# KiCad board FD.kicad_pcb (continued)
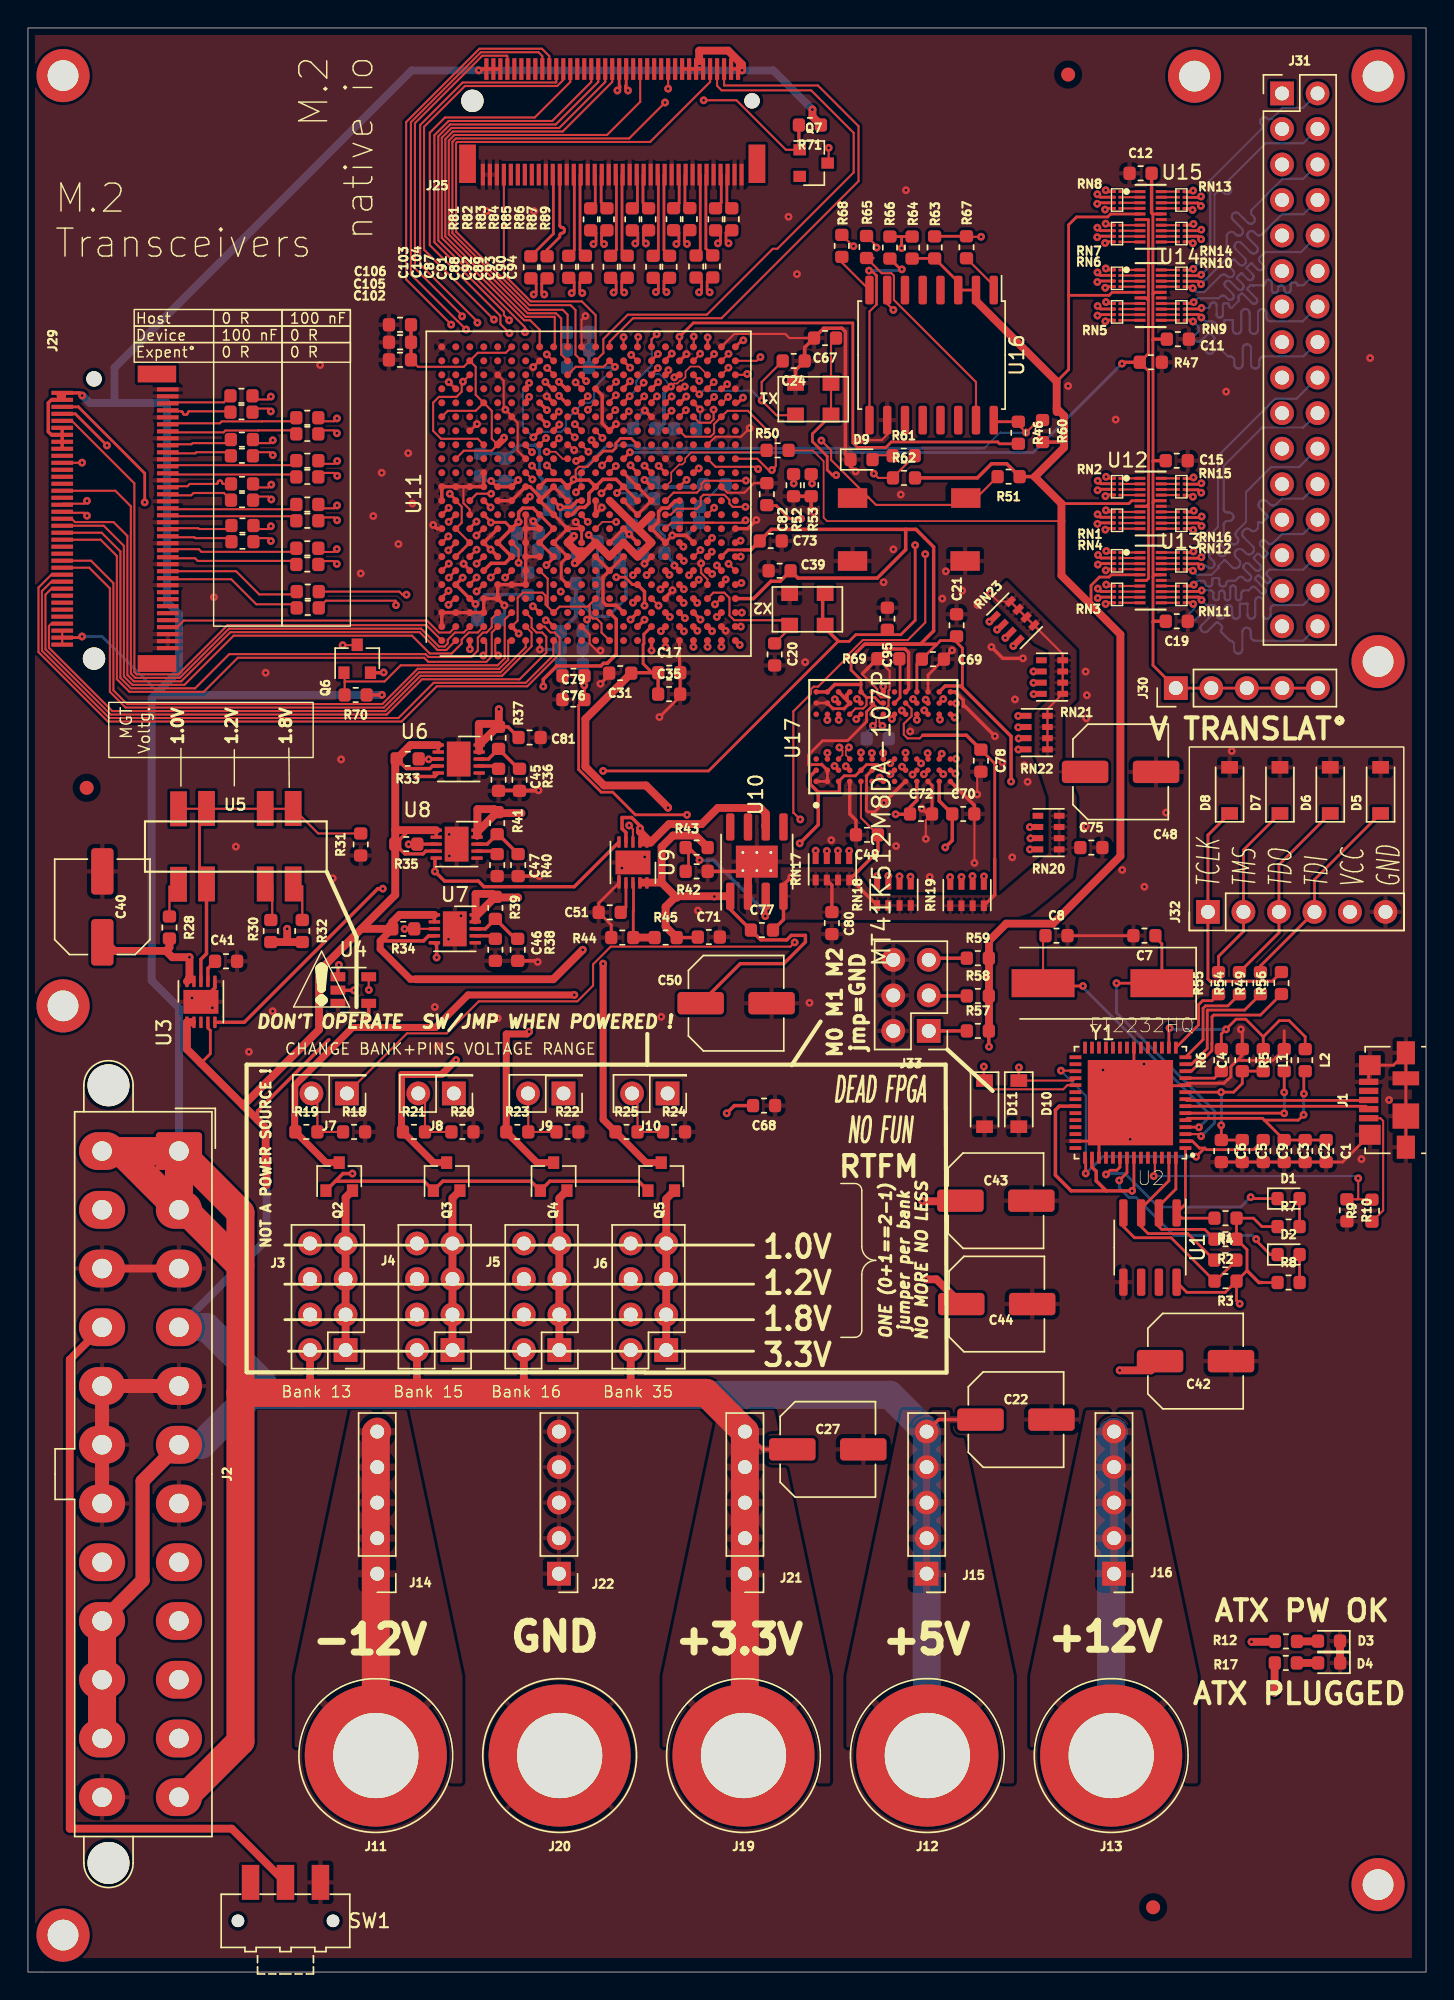
[diagram p0: board, top side]
## Routing (per net, layer and track width the routed paths; a pad name or vN(x,y) marks a point on that pad's centre or on a via; arc(x,y) is an arc through that point) (continued)
VTRANS_2_5: length 17.6
  Top w0.21: v1(83.38,119.4) 83.29,119.31 82.72,119.31
  B.Cu_GND_DDR w0.15: J31.10 91.05,122.97 88.47,122.97 88.13,122.63 88.09,122.58 88.07,122.53 88.06,122.48 88.06,122.42 88.07,122.37 88.09,122.32 88.13,122.27 88.3,122.1 88.33,122.06 88.36,122.01 88.37,121.95 88.37,121.9 88.36,121.84 88.33,121.79 88.3,121.75 88.26,121.71 88.21,121.69 88.15,121.68 88.1,121.68 88.04,121.69 87.99,121.71 87.95,121.75 87.55,122.15 87.54,122.16 87.52,122.17 87.51,122.17 87.49,122.17 87.47,122.17 87.46,122.16 87.45,122.15 87.19,121.9 87.18,121.88 87.18,121.87 87.17,121.85 87.17,121.84 87.18,121.82 87.18,121.81 87.19,121.8 87.59,121.4 87.63,121.35 87.65,121.3 87.66,121.25 87.66,121.19 87.65,121.14 87.63,121.09 87.59,121.04 87.55,121.01 87.5,120.98 87.44,120.97 87.39,120.97 87.33,120.98 87.28,121.01 87.24,121.04 86.84,121.44 86.83,121.45 86.81,121.46 86.8,121.46 86.78,121.46 86.77,121.46 86.75,121.45 86.74,121.44 86.49,121.19 86.48,121.18 86.47,121.16 86.47,121.15 86.47,121.13 86.47,121.11 86.48,121.1 86.49,121.09 86.89,120.69 86.92,120.65 86.95,120.59 86.96,120.54 86.96,120.48 86.95,120.43 86.92,120.38 86.89,120.34 86.84,120.3 86.79,120.28 86.74,120.26 86.68,120.26 86.63,120.28 86.58,120.3 86.53,120.34 86.01,120.86 85.97,120.89 85.92,120.92 85.86,120.93 85.81,120.93 85.75,120.92 85.7,120.89 85.66,120.86 85.66,120.85 85.62,120.81 85.6,120.76 85.59,120.71 85.59,120.65 85.6,120.6 85.62,120.55 85.66,120.5 86.18,119.98 86.21,119.94 86.24,119.89 86.25,119.83 86.25,119.78 86.24,119.72 86.21,119.67 86.18,119.63 86.14,119.59 86.08,119.57 86.03,119.56 85.97,119.56 85.92,119.57 85.87,119.59 85.83,119.63 85.65,119.8 85.61,119.83 85.56,119.86 85.5,119.87 85.45,119.87 85.39,119.86 85.34,119.83 85.3,119.8 85.18,119.68 83.66,119.68 v1(83.38,119.4)
VTRANS_2_6: length 17.6
  Top w0.21: 82.72,118.91 83.87,118.91 v1(83.94,118.98)
  B.Cu_GND_DDR w0.15: v1(83.94,118.98) 84.37,118.98 84.41,118.99 84.45,119 84.49,119.02 84.52,119.06 84.55,119.09 84.56,119.13 84.57,119.22 84.59,119.26 84.61,119.3 84.64,119.33 84.68,119.36 84.72,119.37 84.76,119.38 84.82,119.38 84.86,119.37 84.9,119.36 84.94,119.33 84.97,119.3 85,119.26 85.01,119.22 85.02,119.18 85.02,118.51 85.02,118.46 85.04,118.41 85.06,118.37 85.1,118.33 85.14,118.31 85.19,118.29 85.24,118.29 85.29,118.29 85.34,118.31 85.38,118.33 85.42,118.37 85.44,118.41 85.46,118.46 85.47,118.51 85.47,118.98 85.47,118.98 85.47,119.15 85.47,119.19 85.49,119.23 85.51,119.26 85.53,119.29 85.57,119.31 85.6,119.32 85.64,119.33 85.75,119.33 85.78,119.32 85.82,119.31 85.85,119.29 85.88,119.26 85.9,119.23 85.91,119.19 85.92,119.11 85.94,119.08 85.96,119.05 85.98,119.02 86.02,119 86.05,118.98 86.09,118.98 86.59,119.48 86.61,119.5 86.62,119.53 86.63,119.56 86.63,119.58 86.62,119.61 86.61,119.63 86.58,119.68 86.56,119.7 86.56,119.73 86.56,119.76 86.56,119.78 86.58,119.81 86.59,119.83 86.74,119.97 86.76,119.99 86.78,120 86.81,120.01 86.84,120.01 86.87,120 86.89,119.99 86.91,119.97 87.54,119.34 87.58,119.31 87.63,119.29 87.68,119.28 87.73,119.28 87.78,119.29 87.82,119.31 87.86,119.34 87.89,119.38 87.91,119.43 87.93,119.48 87.93,119.53 87.91,119.58 87.89,119.62 87.86,119.66 87.32,120.21 87.32,120.21 87.25,120.28 87.24,120.29 87.23,120.31 87.22,120.33 87.22,120.36 87.23,120.38 87.24,120.4 87.25,120.41 87.43,120.59 87.45,120.61 87.47,120.62 87.49,120.62 87.51,120.62 87.53,120.62 87.55,120.61 87.58,120.58 87.6,120.57 87.63,120.57 87.65,120.57 87.67,120.57 87.69,120.58 87.7,120.59 88.32,120.59 88.36,120.6 88.4,120.61 88.44,120.64 88.47,120.67 88.5,120.71 88.51,120.75 88.52,120.84 88.53,120.88 88.56,120.92 88.59,120.95 88.63,120.97 88.67,120.98 88.71,120.99 88.77,120.99 88.81,120.98 88.85,120.97 88.89,120.95 88.92,120.92 88.95,120.88 88.96,120.84 88.97,120.79 88.97,120.28 88.97,120.22 88.99,120.18 89.01,120.13 89.05,120.1 89.09,120.07 89.14,120.06 89.19,120.05 89.24,120.06 89.29,120.07 89.33,120.1 89.37,120.13 89.39,120.18 89.41,120.22 89.42,120.28 89.42,120.37 89.42,120.42 89.44,120.47 89.46,120.51 89.5,120.55 89.54,120.57 89.59,120.59 89.64,120.59 89.69,120.59 89.74,120.57 89.78,120.55 89.82,120.51 89.84,120.47 89.86,120.42 89.87,120.37 89.87,120.28 89.87,120.22 89.89,120.18 89.91,120.13 89.95,120.1 89.99,120.07 90.04,120.06 90.09,120.05 90.14,120.06 90.19,120.07 90.23,120.1 90.27,120.13 90.29,120.18 90.31,120.22 90.32,120.28 90.32,120.59 90.32,120.59 90.32,120.69 90.32,120.71 90.33,120.73 90.34,120.75 90.35,120.77 90.37,120.78 90.39,120.79 90.42,120.79 90.67,120.79 90.69,120.79 90.71,120.78 90.73,120.77 90.75,120.75 90.76,120.73 90.77,120.71 90.77,120.67 90.78,120.65 90.79,120.63 90.8,120.62 90.82,120.6 90.84,120.6 90.87,120.59 91.21,120.59 J31.12
VTRANS_2_7: length 17.1
  Top w0.21: 82.72,118.51 83.72,118.51 v1(83.93,118.3)
  B.Cu_GND_DDR w0.15: v1(83.93,118.3) 84.21,118.02 84.68,118.02 84.75,118.01 84.81,117.99 84.87,117.95 84.91,117.91 84.95,117.85 84.97,117.79 84.98,117.72 84.98,117.43 84.99,117.36 85.01,117.3 85.05,117.24 85.09,117.2 85.15,117.16 85.21,117.14 85.28,117.13 85.35,117.14 85.41,117.16 85.47,117.2 85.51,117.24 85.55,117.3 85.57,117.36 85.58,117.43 85.58,118.07 85.58,118.08 85.58,118.09 85.59,118.1 85.6,118.11 85.61,118.12 85.62,118.12 85.63,118.12 86.13,118.12 86.14,118.12 86.15,118.12 86.16,118.11 86.17,118.1 86.18,118.09 86.18,118.08 86.18,118.07 86.18,117.43 86.19,117.36 86.21,117.3 86.25,117.24 86.29,117.2 86.35,117.16 86.41,117.14 86.48,117.13 86.55,117.14 86.61,117.16 86.67,117.2 86.71,117.24 86.75,117.3 86.77,117.36 86.78,117.43 86.78,118.61 86.79,118.68 86.81,118.74 86.85,118.8 86.89,118.84 86.95,118.88 87.01,118.9 87.08,118.91 87.15,118.9 87.21,118.88 87.27,118.84 87.31,118.8 87.35,118.74 87.37,118.68 87.38,118.61 87.38,117.43 87.39,117.36 87.41,117.3 87.45,117.24 87.49,117.2 87.55,117.16 87.61,117.14 87.68,117.13 87.75,117.14 87.81,117.16 87.87,117.2 87.91,117.24 87.95,117.3 87.97,117.36 87.98,117.43 87.98,118.61 87.99,118.68 88.01,118.74 88.05,118.8 88.09,118.84 88.15,118.88 88.21,118.9 88.28,118.91 88.35,118.9 88.41,118.88 88.47,118.84 88.51,118.8 88.55,118.74 88.57,118.68 88.58,118.61 88.58,118.32 88.59,118.25 88.61,118.19 88.65,118.13 88.69,118.09 88.75,118.05 88.81,118.03 88.88,118.02 91.18,118.02 91.86,118.7
VTRANS_2_8: length 18.3
  Top w0.21: 82.72,118.11 83.24,118.11 v1(83.34,118.01)
  B.Cu_GND_DDR w0.15: J31.16 91.21,115.51 88.38,115.51 88.32,115.51 88.25,115.49 88.2,115.45 88.15,115.4 88.11,115.35 88.09,115.28 88.08,115.21 88.08,114.95 88.08,114.88 88.05,114.82 88.02,114.76 87.97,114.71 87.91,114.68 87.85,114.65 87.78,114.65 87.72,114.65 87.65,114.68 87.6,114.71 87.55,114.76 87.51,114.82 87.49,114.88 87.48,114.95 87.48,116.08 87.48,116.15 87.45,116.21 87.42,116.27 87.37,116.32 87.31,116.35 87.25,116.38 87.18,116.38 87.12,116.38 87.05,116.35 87,116.32 86.95,116.27 86.91,116.21 86.89,116.15 86.88,116.08 86.88,114.95 86.88,114.88 86.85,114.82 86.82,114.76 86.77,114.71 86.71,114.68 86.65,114.65 86.58,114.65 86.52,114.65 86.45,114.68 86.4,114.71 86.35,114.76 86.31,114.82 86.29,114.88 86.28,114.95 86.28,115.21 86.28,115.28 86.25,115.35 86.22,115.4 86.17,115.45 86.11,115.49 86.05,115.51 85.98,115.51 85.83,115.51 85.37,115.98 85.31,116.02 85.25,116.05 85.19,116.07 85.12,116.07 85.06,116.05 84.99,116.02 84.94,115.98 84.75,115.79 84.7,115.75 84.64,115.72 84.57,115.71 84.51,115.71 84.44,115.72 84.38,115.75 84.33,115.79 84.29,115.84 84.26,115.91 84.24,115.97 84.24,116.04 84.26,116.1 84.29,116.16 84.33,116.22 84.83,116.71 84.84,116.74 84.86,116.76 84.86,116.79 84.86,116.82 84.86,116.85 84.84,116.88 84.83,116.9 84.59,117.14 84.57,117.16 84.54,117.17 84.51,117.18 84.48,117.18 84.45,117.17 84.42,117.16 84.4,117.14 83.9,116.64 83.85,116.6 83.79,116.57 83.73,116.55 83.66,116.55 83.59,116.57 83.53,116.6 83.48,116.64 83.44,116.69 83.41,116.75 83.39,116.82 83.39,116.89 83.41,116.95 83.44,117.01 83.48,117.07 83.67,117.26 83.71,117.31 83.74,117.37 83.76,117.43 83.76,117.5 83.74,117.57 83.71,117.63 83.67,117.68 v1(83.34,118.01)
  B.Cu_GND_DDR w0.21: v1(83.34,118.01) 83.36,118.04
VTRANS_3_1: length 17.7
  Top w0.21: 82.71,106.78 83.28,106.78 v1(83.37,106.86)
  In4.Cu_SigDDR w0.15: v1(83.37,106.86) 83.37,107.67 83.57,107.87 83.62,107.91 83.68,107.94 83.75,107.96 83.82,107.96 83.88,107.94 83.94,107.91 83.99,107.87 84.19,107.67 84.25,107.63 84.31,107.6 84.37,107.58 84.44,107.58 84.51,107.6 84.57,107.63 84.62,107.67 84.66,107.72 84.69,107.78 84.7,107.85 84.7,107.92 84.69,107.98 84.66,108.04 84.62,108.09 83.79,108.92 83.75,108.97 83.72,109.03 83.71,109.1 83.71,109.16 83.72,109.23 83.75,109.29 83.79,109.34 83.85,109.38 83.91,109.41 83.97,109.43 84.04,109.43 84.11,109.41 84.17,109.38 84.22,109.34 85.04,108.52 85.09,108.48 85.16,108.45 85.22,108.43 85.29,108.43 85.35,108.45 85.41,108.48 85.47,108.52 85.51,108.57 85.54,108.63 85.55,108.7 85.55,108.76 85.54,108.83 85.51,108.89 85.47,108.94 84.64,109.77 84.6,109.82 84.57,109.88 84.56,109.95 84.56,110.01 84.57,110.08 84.6,110.14 84.64,110.19 84.7,110.23 84.76,110.26 84.82,110.28 84.89,110.28 84.95,110.26 85.01,110.23 85.07,110.19 85.89,109.37 85.94,109.33 86,109.3 86.07,109.28 86.14,109.28 86.2,109.3 86.26,109.33 86.32,109.37 86.36,109.42 86.39,109.48 86.4,109.55 86.4,109.61 86.39,109.68 86.36,109.74 86.32,109.79 86.12,109.99 86.07,110.04 86.04,110.1 86.03,110.17 86.03,110.24 86.04,110.3 86.07,110.36 86.12,110.42 J31.17
VTRANS_3_2: length 17.7
  Top w0.21: 82.71,106.38 83.86,106.38 v1(83.93,106.45)
  In4.Cu_SigDDR w0.15: J31.19 87.8,109.56 87.75,109.52 87.69,109.49 87.63,109.48 87.56,109.48 87.49,109.49 87.43,109.52 87.38,109.56 87.23,109.72 87.17,109.76 87.11,109.79 87.05,109.81 86.98,109.81 86.91,109.79 86.85,109.76 86.8,109.72 86.76,109.67 86.73,109.61 86.71,109.54 86.71,109.47 86.73,109.41 86.76,109.35 86.8,109.3 87.61,108.49 87.65,108.44 87.68,108.38 87.69,108.31 87.69,108.24 87.68,108.18 87.65,108.12 87.61,108.07 87.55,108.02 87.49,107.99 87.43,107.98 87.36,107.98 87.3,107.99 87.24,108.02 87.18,108.07 86.38,108.87 86.32,108.91 86.26,108.94 86.2,108.96 86.13,108.96 86.07,108.94 86,108.91 85.95,108.87 85.91,108.82 85.88,108.76 85.87,108.69 85.87,108.63 85.88,108.56 85.91,108.5 85.95,108.45 86.76,107.64 86.8,107.59 86.83,107.53 86.84,107.46 86.84,107.4 86.83,107.33 86.8,107.27 86.76,107.22 86.71,107.18 86.65,107.15 86.58,107.13 86.51,107.13 86.45,107.15 86.39,107.18 86.33,107.22 85.53,108.02 85.48,108.07 85.42,108.09 85.35,108.11 85.28,108.11 85.22,108.09 85.16,108.07 85.1,108.02 85.06,107.97 85.03,107.91 85.02,107.84 85.02,107.78 85.03,107.71 85.06,107.65 85.1,107.6 85.91,106.79 85.95,106.74 85.98,106.68 86,106.61 86,106.55 85.98,106.48 85.95,106.42 85.91,106.37 85.86,106.33 85.8,106.3 85.73,106.28 85.66,106.28 85.6,106.3 85.54,106.33 85.49,106.37 85.26,106.59 85.21,106.64 85.15,106.67 85.08,106.68 85.01,106.68 84.95,106.67 84.89,106.64 84.84,106.59 84.69,106.45 v1(83.93,106.45)
VTRANS_3_3: length 17
  Top w0.21: v1(83.92,105.77) 83.71,105.98 82.71,105.98
  In4.Cu_SigDDR w0.15: 89.38,108.24 89.68,107.94 89.72,107.89 89.74,107.84 89.76,107.79 89.76,107.73 89.74,107.68 89.72,107.63 89.68,107.58 89.64,107.55 89.59,107.52 89.54,107.51 89.48,107.51 89.43,107.52 89.38,107.55 89.33,107.58 88.43,108.48 88.39,108.52 88.34,108.54 88.29,108.55 88.23,108.55 88.17,108.54 88.12,108.52 88.08,108.48 88.05,108.44 88.02,108.39 88.01,108.33 88.01,108.28 88.02,108.22 88.05,108.17 88.08,108.13 88.8,107.41 88.84,107.36 88.86,107.31 88.87,107.26 88.87,107.2 88.86,107.15 88.84,107.1 88.8,107.05 88.76,107.02 88.71,106.99 88.65,106.98 88.6,106.98 88.54,106.99 88.49,107.02 88.45,107.05 87.87,107.63 87.82,107.67 87.77,107.69 87.72,107.7 87.66,107.7 87.61,107.69 87.56,107.67 87.51,107.63 87.48,107.59 87.46,107.54 87.44,107.48 87.44,107.43 87.46,107.37 87.48,107.32 87.51,107.28 88.27,106.52 88.31,106.48 88.33,106.43 88.34,106.37 88.34,106.32 88.33,106.26 88.31,106.21 88.27,106.17 88.23,106.13 88.18,106.11 88.12,106.1 88.07,106.1 88.01,106.11 87.96,106.13 87.92,106.17 87.23,106.85 87.19,106.89 87.14,106.91 87.08,106.93 87.03,106.93 86.97,106.91 86.92,106.89 86.88,106.85 86.84,106.81 86.82,106.76 86.81,106.71 86.81,106.65 86.82,106.6 86.84,106.54 86.88,106.5 87.42,105.96 87.46,105.91 87.48,105.86 87.49,105.81 87.49,105.75 87.48,105.7 87.46,105.65 87.42,105.6 87.38,105.57 87.33,105.54 87.27,105.53 87.22,105.53 87.16,105.54 87.11,105.57 87.07,105.6 86.9,105.77 86.86,105.8 86.81,105.83 86.75,105.84 86.7,105.84 86.64,105.83 86.59,105.8 86.55,105.77 85.85,105.77 85.83,105.77 85.81,105.78 85.8,105.79 85.78,105.8 85.77,105.82 85.76,105.84 85.76,105.88 85.75,105.9 85.74,105.92 85.73,105.93 85.71,105.94 85.69,105.95 85.67,105.95 85.35,105.95 85.33,105.95 85.31,105.94 85.3,105.93 85.28,105.92 85.27,105.9 85.26,105.88 85.26,105.86 85.26,105.77 85.23,105.77 85.23,105.65 85.22,105.63 85.22,105.6 85.2,105.58 85.18,105.56 85.16,105.55 85.14,105.54 85.11,105.53 84.85,105.53 84.82,105.54 84.79,105.55 84.77,105.56 84.75,105.58 84.74,105.6 84.73,105.63 84.72,105.68 84.72,105.7 84.7,105.73 84.68,105.74 84.66,105.76 84.64,105.77 84.61,105.77 v1(83.92,105.77)
VTRANS_3_4: length 16.9
  Top w0.21: 82.71,105.58 83.23,105.58 v1(83.32,105.48)
  In4.Cu_SigDDR w0.15: 88.99,106.61 88.95,106.64 88.9,106.66 88.86,106.67 88.81,106.67 88.76,106.66 88.71,106.64 88.67,106.61 88.64,106.57 88.62,106.53 88.61,106.48 88.61,106.43 88.62,106.38 88.64,106.33 88.67,106.29 89.61,105.35 89.64,105.31 89.67,105.27 89.68,105.22 89.68,105.17 89.67,105.12 89.64,105.07 89.61,105.03 89.57,105 89.53,104.98 89.48,104.97 89.43,104.97 89.38,104.98 89.33,105 89.29,105.03 88.98,105.34 88.94,105.38 88.9,105.4 88.85,105.41 88.8,105.41 88.75,105.4 88.7,105.38 88.66,105.34 88.52,105.2 88.07,105.2 88.05,105.21 88.03,105.21 88.01,105.22 87.99,105.24 87.98,105.26 87.98,105.28 87.97,105.32 87.96,105.34 87.95,105.36 87.94,105.37 87.92,105.38 87.9,105.39 87.88,105.39 87.62,105.39 87.6,105.39 87.58,105.38 87.56,105.37 87.54,105.36 87.53,105.34 87.53,105.32 87.52,105.3 87.52,104.54 87.52,104.49 87.5,104.44 87.47,104.4 87.44,104.36 87.4,104.34 87.35,104.32 87.3,104.31 87.25,104.32 87.2,104.34 87.16,104.36 87.12,104.4 87.1,104.44 87.08,104.49 87.07,104.54 87.07,105.25 87.07,105.26 87.07,105.27 87.06,105.28 87.05,105.29 87.04,105.3 87.03,105.3 87.02,105.3 86.67,105.3 86.66,105.3 86.65,105.3 86.64,105.29 86.63,105.28 86.63,105.27 86.62,105.26 86.62,105.25 86.62,104.54 86.62,104.49 86.6,104.44 86.57,104.4 86.54,104.36 86.5,104.34 86.45,104.32 86.4,104.31 86.35,104.32 86.3,104.34 86.26,104.36 86.22,104.4 86.2,104.44 86.18,104.49 86.17,104.54 86.17,105.35 86.17,105.38 86.16,105.41 86.14,105.44 86.12,105.46 86.09,105.48 86.06,105.49 86.03,105.49 85.87,105.49 85.84,105.49 85.81,105.48 85.78,105.46 85.75,105.44 85.74,105.41 85.73,105.38 85.72,105.35 85.72,104.54 85.72,104.49 85.7,104.44 85.67,104.4 85.64,104.36 85.6,104.34 85.55,104.32 85.5,104.31 85.45,104.32 85.4,104.34 85.36,104.36 85.32,104.4 85.3,104.44 85.28,104.49 85.27,104.54 85.27,104.98 85.27,105.03 85.25,105.08 85.22,105.12 85.19,105.15 85.15,105.18 85.1,105.2 85.05,105.2 85,105.2 84.95,105.18 84.91,105.15 84.87,105.12 84.85,105.08 84.83,105.03 84.82,104.98 84.82,104.54 84.82,104.49 84.8,104.44 84.77,104.4 84.74,104.36 84.7,104.34 84.65,104.32 84.6,104.31 84.55,104.32 84.5,104.34 84.46,104.36 84.42,104.4 84.4,104.44 84.38,104.49 84.37,104.54 84.37,105.25 84.37,105.26 84.37,105.27 84.36,105.28 84.35,105.29 84.34,105.3 84.33,105.3 84.32,105.3 83.97,105.3 83.96,105.3 83.95,105.3 83.94,105.29 83.93,105.28 83.93,105.27 83.92,105.26 83.92,105.24 83.92,105.23 83.91,105.22 83.9,105.21 83.89,105.21 83.88,105.2 83.87,105.2 83.6,105.2 v1(83.32,105.48)
VTRANS_3_5: length 18.4
  Top w0.21: 82.73,104.4 83.3,104.4 v1(83.39,104.49)
  In2.Cu_SigDDR w0.15: v1(83.39,104.49) 83.67,104.77 84,104.77 84.04,104.76 84.08,104.75 84.11,104.73 84.14,104.7 84.17,104.66 84.18,104.62 84.19,104.54 84.2,104.5 84.23,104.46 84.26,104.43 84.29,104.41 84.33,104.39 84.37,104.39 84.5,104.39 84.54,104.39 84.58,104.41 84.61,104.43 84.64,104.46 84.67,104.5 84.68,104.54 84.68,104.58 84.68,104.77 84.7,104.77 84.7,105.74 84.7,105.8 84.72,105.85 84.75,105.9 84.79,105.94 84.84,105.97 84.89,105.99 84.95,105.99 85,105.99 85.05,105.97 85.1,105.94 85.14,105.9 85.17,105.85 85.19,105.8 85.2,105.74 85.2,105.02 85.2,104.96 85.22,104.91 85.25,104.86 85.29,104.82 85.34,104.79 85.39,104.77 85.45,104.77 85.5,104.77 85.55,104.79 85.6,104.82 85.64,104.86 85.67,104.91 85.69,104.96 85.7,105.02 85.7,105.74 85.7,105.8 85.72,105.85 85.75,105.9 85.79,105.94 85.84,105.97 85.89,105.99 85.95,105.99 86,105.99 86.05,105.97 86.1,105.94 86.14,105.9 86.17,105.85 86.19,105.8 86.2,105.74 86.2,104.58 86.2,104.54 86.21,104.5 86.24,104.46 86.27,104.43 86.3,104.41 86.34,104.39 86.38,104.39 86.51,104.39 86.55,104.39 86.59,104.41 86.63,104.43 86.66,104.46 86.68,104.5 86.69,104.54 86.7,104.58 86.7,105.74 86.7,105.8 86.72,105.85 86.75,105.9 86.79,105.94 86.84,105.97 86.89,105.99 86.95,105.99 87,105.99 87.05,105.97 87.1,105.94 87.14,105.9 87.17,105.85 87.19,105.8 87.2,105.74 87.2,104.34 87.2,104.28 87.22,104.23 87.25,104.18 87.29,104.14 87.34,104.11 87.39,104.1 87.45,104.09 87.5,104.1 87.55,104.11 87.6,104.14 87.64,104.18 87.67,104.23 87.69,104.28 87.7,104.34 87.7,105.74 87.7,105.8 87.72,105.85 87.75,105.9 87.79,105.94 87.84,105.97 87.89,105.99 87.95,105.99 88,105.99 88.05,105.97 88.1,105.94 88.14,105.9 88.17,105.85 88.19,105.8 88.2,105.74 88.2,105.02 88.2,104.96 88.22,104.91 88.25,104.86 88.29,104.82 88.34,104.79 88.39,104.77 88.45,104.77 88.77,104.77 89.69,103.85
VTRANS_3_6: length 17.7
  Top w0.15: 82.77,104 82.7,104
  Top w0.21: 82.73,104 83.88,104 v1(83.95,104.07)
  In2.Cu_SigDDR w0.15: v1(83.95,104.07) 84.59,104.07 84.63,104.07 84.66,104.05 84.7,104.03 84.72,104.01 84.75,103.97 84.76,103.94 84.77,103.86 84.78,103.82 84.8,103.79 84.83,103.76 84.86,103.74 84.9,103.73 84.94,103.72 85.04,103.72 85.08,103.73 85.11,103.74 85.15,103.76 85.17,103.79 85.2,103.82 85.21,103.86 85.21,103.9 85.21,104.07 85.24,104.07 85.24,104.25 85.24,104.28 85.26,104.32 85.28,104.35 85.3,104.38 85.34,104.4 85.37,104.42 85.41,104.42 85.51,104.42 85.55,104.42 85.59,104.4 85.62,104.38 85.65,104.35 85.67,104.32 85.68,104.28 85.69,104.25 85.69,103.35 85.69,103.3 85.71,103.25 85.74,103.21 85.77,103.17 85.82,103.14 85.86,103.13 85.91,103.12 85.96,103.13 86.01,103.14 86.05,103.17 86.09,103.21 86.12,103.25 86.13,103.3 86.14,103.35 86.14,103.85 86.14,103.9 86.16,103.94 86.19,103.99 86.22,104.02 86.27,104.05 86.31,104.07 86.36,104.07 86.93,104.07 86.96,104.04 87,104 87.02,103.95 87.03,103.9 87.03,103.85 87.02,103.8 87,103.76 86.96,103.72 86.89,103.65 86.86,103.61 86.84,103.56 86.83,103.51 86.83,103.46 86.84,103.41 86.86,103.37 86.89,103.33 86.93,103.3 86.98,103.28 87.03,103.27 87.08,103.27 87.13,103.28 87.17,103.3 87.21,103.33 87.95,104.07 87.99,104.1 88.04,104.12 88.09,104.13 88.14,104.13 88.19,104.12 88.23,104.1 88.27,104.07 88.3,104.03 88.32,103.99 88.34,103.94 88.34,103.89 88.32,103.84 88.3,103.79 88.27,103.75 87.39,102.87 87.36,102.83 87.34,102.79 87.32,102.74 87.32,102.69 87.34,102.64 87.36,102.59 87.39,102.55 87.43,102.52 87.47,102.5 87.52,102.49 87.57,102.49 87.62,102.5 87.67,102.52 87.71,102.55 88.45,103.29 88.49,103.32 88.53,103.35 88.58,103.36 88.63,103.36 88.68,103.35 88.73,103.32 88.77,103.29 88.8,103.25 88.82,103.21 88.83,103.16 88.83,103.11 88.82,103.06 88.8,103.01 88.77,102.97 88.1,102.3 88.06,102.27 88.04,102.22 88.03,102.17 88.03,102.12 88.04,102.07 88.06,102.03 88.1,101.99 88.14,101.95 88.18,101.93 88.23,101.92 88.28,101.92 88.33,101.93 88.38,101.95 88.41,101.99 89.16,102.73 89.19,102.76 89.24,102.78 89.29,102.79 89.34,102.79 89.39,102.78 89.43,102.76 89.47,102.73 89.5,102.69 89.53,102.64 89.54,102.59 89.54,102.54 89.53,102.49 89.5,102.45 89.47,102.41 89.19,102.13 89.16,102.09 89.14,102.04 89.13,101.99 89.13,101.94 89.14,101.89 89.16,101.85
VTRANS_3_7: length 18.3
  Top w0.21: 82.73,103.6 83.73,103.6 v1(83.94,103.39)
  In2.Cu_SigDDR w0.15: J31.29 88.71,99.75 88.66,99.79 88.6,99.82 88.54,99.83 88.47,99.83 88.4,99.82 88.34,99.79 88.29,99.75 88.05,99.5 87.99,99.46 87.93,99.43 87.87,99.42 87.8,99.42 87.73,99.43 87.67,99.46 87.62,99.5 87.58,99.55 87.55,99.61 87.54,99.68 87.54,99.75 87.55,99.81 87.58,99.87 87.62,99.93 88.53,100.84 88.58,100.89 88.61,100.95 88.62,101.02 88.62,101.08 88.61,101.15 88.58,101.21 88.53,101.26 88.48,101.3 88.42,101.33 88.36,101.35 88.29,101.35 88.22,101.33 88.16,101.3 88.11,101.26 87.41,100.56 87.36,100.52 87.3,100.49 87.23,100.48 87.16,100.48 87.1,100.49 87.04,100.52 86.98,100.56 86.94,100.61 86.91,100.68 86.9,100.74 86.9,100.81 86.91,100.87 86.94,100.93 86.98,100.99 87.69,101.69 87.73,101.74 87.76,101.8 87.77,101.87 87.77,101.93 87.76,102 87.73,102.06 87.69,102.11 87.63,102.15 87.57,102.18 87.51,102.2 87.44,102.2 87.37,102.18 87.31,102.15 87.26,102.11 86.56,101.41 86.51,101.37 86.45,101.34 86.38,101.32 86.31,101.32 86.25,101.34 86.19,101.37 86.14,101.41 86.09,101.46 86.07,101.52 86.05,101.59 86.05,101.66 86.07,101.72 86.09,101.78 86.14,101.84 86.84,102.54 86.88,102.59 86.91,102.65 86.92,102.71 86.92,102.78 86.91,102.85 86.88,102.91 86.84,102.96 86.78,103 86.72,103.03 86.66,103.05 86.59,103.05 86.53,103.03 86.47,103 86.41,102.96 85.71,102.26 85.66,102.22 85.6,102.19 85.53,102.17 85.47,102.17 85.4,102.19 85.34,102.22 85.29,102.26 85.25,102.31 85.22,102.37 85.2,102.44 85.2,102.5 85.22,102.57 85.25,102.63 85.29,102.68 85.32,102.72 85.36,102.77 85.39,102.83 85.41,102.89 85.41,102.96 85.39,103.03 85.36,103.09 85.32,103.14 85.07,103.39 v1(83.94,103.39)
VTRANS_3_8: length 18.4
  Top w0.21: v1(83.35,103.1) 83.25,103.2 82.73,103.2
  In2.Cu_SigDDR w0.15: J31.31 86.73,99.19 86.68,99.23 86.62,99.26 86.55,99.27 86.49,99.27 86.42,99.26 86.36,99.23 86.31,99.19 86.07,98.95 86.02,98.91 85.96,98.88 85.89,98.86 85.83,98.86 85.76,98.88 85.7,98.91 85.65,98.95 85.61,99 85.58,99.06 85.56,99.13 85.56,99.2 85.58,99.26 85.61,99.32 85.65,99.37 86.55,100.27 86.59,100.33 86.62,100.39 86.63,100.45 86.63,100.52 86.62,100.58 86.59,100.64 86.55,100.7 86.49,100.74 86.43,100.77 86.37,100.78 86.3,100.78 86.23,100.77 86.17,100.74 86.12,100.7 85.22,99.8 85.17,99.76 85.11,99.73 85.04,99.71 84.98,99.71 84.91,99.73 84.85,99.76 84.8,99.8 84.76,99.85 84.73,99.91 84.71,99.98 84.71,100.04 84.73,100.11 84.76,100.17 84.8,100.22 85.7,101.12 85.74,101.17 85.77,101.23 85.78,101.3 85.78,101.37 85.77,101.43 85.74,101.49 85.7,101.55 85.64,101.59 85.58,101.62 85.52,101.63 85.45,101.63 85.39,101.62 85.32,101.59 85.27,101.55 84.79,101.06 84.78,101.05 84.77,101.05 84.76,101.05 84.75,101.05 84.74,101.05 84.73,101.05 84.72,101.06 84.36,101.41 84.36,101.42 84.35,101.43 84.35,101.44 84.35,101.46 84.35,101.47 84.36,101.48 84.36,101.49 84.85,101.97 84.89,102.02 84.92,102.08 84.93,102.15 84.93,102.22 84.92,102.28 84.89,102.34 84.85,102.39 84.8,102.44 84.73,102.46 84.67,102.48 84.6,102.48 84.54,102.46 84.48,102.44 84.42,102.39 83.97,101.95 83.95,101.97 83.9,101.92 83.89,101.91 83.88,101.9 83.86,101.9 83.85,101.9 83.83,101.9 83.82,101.91 83.81,101.92 83.48,102.25 83.47,102.26 83.46,102.27 83.46,102.29 83.46,102.3 83.46,102.32 83.47,102.33 83.49,102.36 83.5,102.37 83.5,102.38 83.5,102.4 83.5,102.41 83.49,102.43 83.48,102.44 83.35,102.57 v1(83.35,103.1)
VTRANS_4_1: length 17.7
  Top w0.21: v1(83.37,101.57) 83.28,101.49 82.71,101.49
  B.Cu_GND_DDR w0.15: J31.18 90.73,112.49 89.21,112.49 85.12,108.4 85.12,103.33 v1(83.37,101.57)
VTRANS_4_2: length 17.6
  Top w0.21: v1(83.93,101.16) 83.86,101.09 82.71,101.09
  B.Cu_GND_DDR w0.15: J31.20 91.21,110.43 88.27,110.43 85.52,107.68 85.52,104.65 85.53,104.58 85.55,104.52 85.59,104.46 85.63,104.42 85.69,104.38 85.75,104.36 85.82,104.35 85.92,104.35 85.99,104.34 86.05,104.32 86.11,104.28 86.16,104.24 86.19,104.18 86.22,104.12 86.22,104.05 86.22,103.98 86.19,103.92 86.16,103.86 86.11,103.82 86.05,103.78 85.99,103.76 85.92,103.75 85.82,103.75 85.75,103.74 85.69,103.72 85.63,103.68 85.59,103.64 85.55,103.58 85.53,103.52 85.52,103.45 85.52,102.75 v1(83.93,101.16)
VTRANS_4_3: length 17.6
  Top w0.21: 82.71,100.69 83.71,100.69 v1(83.92,100.48)
  B.Cu_GND_DDR w0.15: v1(83.92,100.48) 83.97,100.52 84.03,100.55 84.1,100.57 84.16,100.57 84.23,100.55 84.29,100.52 84.34,100.48 84.36,100.46 84.41,100.42 84.47,100.39 84.54,100.38 84.61,100.38 84.67,100.39 84.73,100.42 84.79,100.46 84.83,100.51 84.86,100.57 84.87,100.64 84.87,100.71 84.86,100.77 84.83,100.83 84.79,100.89 84.49,101.18 84.48,101.19 84.47,101.21 84.47,101.23 84.47,101.25 84.47,101.27 84.48,101.29 84.49,101.3 84.79,101.6 84.81,101.61 84.83,101.62 84.85,101.63 84.87,101.63 84.88,101.62 84.9,101.61 84.92,101.6 85.21,101.31 85.26,101.27 85.32,101.24 85.39,101.22 85.46,101.22 85.52,101.24 85.58,101.27 85.63,101.31 85.68,101.36 85.7,101.42 85.72,101.49 85.72,101.56 85.7,101.62 85.68,101.68 85.63,101.73 85.34,102.03 85.33,102.04 85.32,102.06 85.32,102.08 85.32,102.1 85.32,102.12 85.33,102.13 85.34,102.15 85.64,102.45 85.66,102.46 85.68,102.47 85.69,102.48 85.71,102.48 85.73,102.47 85.75,102.46 85.77,102.45 86.06,102.16 86.11,102.12 86.17,102.09 86.24,102.07 86.3,102.07 86.37,102.09 86.43,102.12 86.48,102.16 86.52,102.21 86.55,102.27 86.57,102.34 86.57,102.4 86.55,102.47 86.52,102.53 86.48,102.58 86.46,102.6 86.42,102.65 86.39,102.71 86.38,102.78 86.38,102.85 86.39,102.91 86.42,102.97 86.46,103.02 87.12,103.68 87.12,105.81 88.91,107.6 90.92,107.6 J31.22